# KiCad board poly_kb.kicad_pcb (continued)
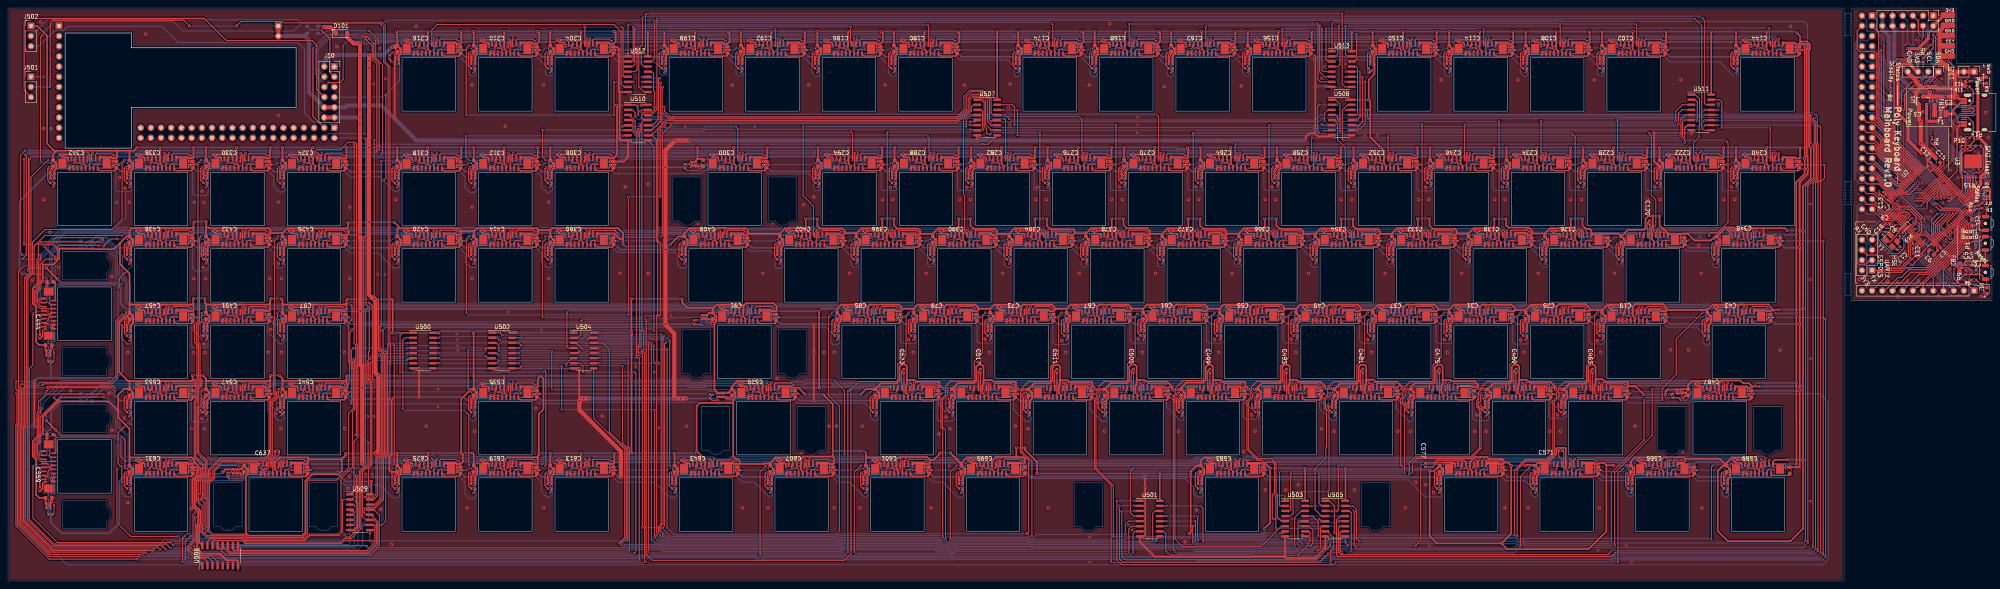
[diagram p0: board, top side]
## Routing (per net, layer and track width the routed paths; a pad name or vN(x,y) marks a point on that pad's centre or on a via; arc(x,y) is an arc through that point) (continued)
Net-(C252-Pad2): length 8
  Top w0.292: J135.7 342.15,103.94 341.81,104.28 v2(341.1,104.28) ; C252.2 337.39,105.69 338.52,105.69 338.84,105.37 v2(338.84,104.63)
  Bottom w0.292: v2(338.84,104.63) 339,104.79 340.58,104.79 v2(341.1,104.28)
Net-(C254-Pad1): length 5.5
  Top w0.292: J135.15 346.79,102.31 349.71,102.31 349.71,102.31 350.52,102.31 350.8,102.59 C254.1
Net-(C257-Pad1): length 12.3
  Top w0.292: v2(321.3,104.18) 321.3,105.05 J136.4 ; C257.1 314.69,99.95 314.69,102.85 v2(315,103.16)
  Bottom w0.292: v2(315,103.16) 315.75,103.91 319.95,103.91 320.22,104.18 v2(321.3,104.18)
Net-(C257-Pad2): length 11.7
  Top w0.292: 321.74,102.87 322.02,102.87 J136.5 ; v2(315.92,98.14) 316.35,98.57 C257.2
  Bottom w0.292: 321.74,102.87 321.58,102.71 316.7,102.71 316.13,102.14 316.13,98.35 v2(315.92,98.14)
  vias: v2(321.74,102.87)
Net-(C258-Pad1): length 4.7
  Top w0.292: C258.1 318.68,106.39 322.12,106.39 322.6,105.91 J136.6
Net-(C258-Pad2): length 8
  Top w0.292: J136.7 323.1,103.94 322.76,104.28 v2(322.05,104.28) ; C258.2 318.34,105.69 319.47,105.69 319.79,105.37 v2(319.79,104.63)
  Bottom w0.292: v2(319.79,104.63) 319.95,104.79 321.53,104.79 v2(322.05,104.28)
Net-(C260-Pad1): length 5.5
  Top w0.292: J136.15 327.74,102.31 330.66,102.31 330.66,102.31 331.47,102.31 331.75,102.59 C260.1
Net-(C263-Pad1): length 12.3
  Top w0.292: v2(302.25,104.18) 302.25,105.05 J137.4 ; C263.1 295.64,99.95 295.64,102.85 v2(295.95,103.16)
  Bottom w0.292: v2(295.95,103.16) 296.7,103.91 300.9,103.91 301.17,104.18 v2(302.25,104.18)
Net-(C263-Pad2): length 11.7
  Top w0.292: 302.69,102.87 302.97,102.87 J137.5 ; v2(296.87,98.14) 297.3,98.57 C263.2
  Bottom w0.292: 302.69,102.87 302.53,102.71 297.65,102.71 297.08,102.14 297.08,98.35 v2(296.87,98.14)
  vias: v2(302.69,102.87)
Net-(C264-Pad1): length 4.7
  Top w0.292: C264.1 299.63,106.39 303.07,106.39 303.55,105.91 J137.6
Net-(C264-Pad2): length 8
  Top w0.292: J137.7 304.05,103.94 303.71,104.28 v2(303,104.28) ; C264.2 299.29,105.69 300.42,105.69 300.74,105.37 v2(300.74,104.63)
  Bottom w0.292: v2(300.74,104.63) 300.9,104.79 302.48,104.79 v2(303,104.28)
Net-(C266-Pad1): length 5.5
  Top w0.292: J137.15 308.69,102.31 311.61,102.31 311.61,102.31 312.42,102.31 312.7,102.59 C266.1
Net-(C269-Pad1): length 12.3
  Top w0.292: v2(283.2,104.18) 283.2,105.05 J138.4 ; C269.1 276.59,99.95 276.59,102.85 v2(276.9,103.16)
  Bottom w0.292: v2(276.9,103.16) 277.65,103.91 281.85,103.91 282.12,104.18 v2(283.2,104.18)
Net-(C269-Pad2): length 11.7
  Top w0.292: 283.64,102.87 283.92,102.87 J138.5 ; v2(277.82,98.14) 278.25,98.57 C269.2
  Bottom w0.292: 283.64,102.87 283.48,102.71 278.6,102.71 278.03,102.14 278.03,98.35 v2(277.82,98.14)
  vias: v2(283.64,102.87)
Net-(C270-Pad1): length 4.7
  Top w0.292: C270.1 280.58,106.39 284.02,106.39 284.5,105.91 J138.6
Net-(C270-Pad2): length 8
  Top w0.292: J138.7 285,103.94 284.66,104.28 v2(283.95,104.28) ; C270.2 280.24,105.69 281.37,105.69 281.69,105.37 v2(281.69,104.63)
  Bottom w0.292: v2(281.69,104.63) 281.85,104.79 283.43,104.79 v2(283.95,104.28)
Net-(C272-Pad1): length 5.5
  Top w0.292: J138.15 289.64,102.31 292.56,102.31 292.56,102.31 293.37,102.31 293.65,102.59 C272.1
Net-(C275-Pad1): length 12.3
  Top w0.292: v2(264.15,104.18) 264.15,105.05 J139.4 ; C275.1 257.54,99.95 257.54,102.85 v2(257.85,103.16)
  Bottom w0.292: v2(257.85,103.16) 258.6,103.91 262.8,103.91 263.07,104.18 v2(264.15,104.18)
Net-(C275-Pad2): length 11.7
  Top w0.292: 264.59,102.87 264.87,102.87 J139.5 ; v2(258.77,98.14) 259.2,98.57 C275.2
  Bottom w0.292: 264.59,102.87 264.43,102.71 259.55,102.71 258.98,102.14 258.98,98.35 v2(258.77,98.14)
  vias: v2(264.59,102.87)
Net-(C276-Pad1): length 4.7
  Top w0.292: C276.1 261.53,106.39 264.97,106.39 265.45,105.91 J139.6
Net-(C276-Pad2): length 8
  Top w0.292: J139.7 265.95,103.94 265.61,104.28 v2(264.9,104.28) ; C276.2 261.19,105.69 262.32,105.69 262.64,105.37 v2(262.64,104.63)
  Bottom w0.292: v2(262.64,104.63) 262.8,104.79 264.38,104.79 v2(264.9,104.28)
Net-(C278-Pad1): length 5.5
  Top w0.292: J139.15 270.59,102.31 273.51,102.31 273.51,102.31 274.32,102.31 274.6,102.59 C278.1
Net-(C281-Pad1): length 12.3
  Top w0.292: v2(245.1,104.18) 245.1,105.05 J140.4 ; C281.1 238.49,99.95 238.49,102.85 v2(238.8,103.16)
  Bottom w0.292: v2(238.8,103.16) 239.55,103.91 243.75,103.91 244.02,104.18 v2(245.1,104.18)
Net-(C281-Pad2): length 11.7
  Top w0.292: 245.54,102.87 245.82,102.87 J140.5 ; v2(239.72,98.14) 240.15,98.57 C281.2
  Bottom w0.292: 245.54,102.87 245.38,102.71 240.5,102.71 239.93,102.14 239.93,98.35 v2(239.72,98.14)
  vias: v2(245.54,102.87)
Net-(C282-Pad1): length 4.7
  Top w0.292: C282.1 242.48,106.39 245.92,106.39 246.4,105.91 J140.6
Net-(C282-Pad2): length 8
  Top w0.292: J140.7 246.9,103.94 246.56,104.28 v2(245.85,104.28) ; C282.2 242.14,105.69 243.27,105.69 243.59,105.37 v2(243.59,104.63)
  Bottom w0.292: v2(243.59,104.63) 243.75,104.79 245.33,104.79 v2(245.85,104.28)
Net-(C284-Pad1): length 5.5
  Top w0.292: J140.15 251.54,102.31 254.46,102.31 254.46,102.31 255.27,102.31 255.55,102.59 C284.1
Net-(C287-Pad1): length 12.3
  Top w0.292: v2(226.05,104.18) 226.05,105.05 J141.4 ; C287.1 219.44,99.95 219.44,102.85 v2(219.75,103.16)
  Bottom w0.292: v2(219.75,103.16) 220.5,103.91 224.7,103.91 224.97,104.18 v2(226.05,104.18)
Net-(C287-Pad2): length 11.7
  Top w0.292: 226.49,102.87 226.77,102.87 J141.5 ; v2(220.67,98.14) 221.1,98.57 C287.2
  Bottom w0.292: 226.49,102.87 226.33,102.71 221.45,102.71 220.88,102.14 220.88,98.35 v2(220.67,98.14)
  vias: v2(226.49,102.87)
Net-(C288-Pad1): length 4.7
  Top w0.292: C288.1 223.43,106.39 226.87,106.39 227.35,105.91 J141.6
Net-(C288-Pad2): length 8
  Top w0.292: J141.7 227.85,103.94 227.51,104.28 v2(226.8,104.28) ; C288.2 223.09,105.69 224.22,105.69 224.54,105.37 v2(224.54,104.63)
  Bottom w0.292: v2(224.54,104.63) 224.7,104.79 226.28,104.79 v2(226.8,104.28)
Net-(C290-Pad1): length 5.5
  Top w0.292: J141.15 232.49,102.31 235.41,102.31 235.41,102.31 236.22,102.31 236.5,102.59 C290.1
Net-(C293-Pad1): length 12.3
  Top w0.292: v2(207,104.18) 207,105.05 J142.4 ; C293.1 200.39,99.95 200.39,102.85 v2(200.7,103.16)
  Bottom w0.292: v2(200.7,103.16) 201.45,103.91 205.65,103.91 205.92,104.18 v2(207,104.18)
Net-(C293-Pad2): length 11.7
  Top w0.292: 207.44,102.87 207.72,102.87 J142.5 ; v2(201.62,98.14) 202.05,98.57 C293.2
  Bottom w0.292: 207.44,102.87 207.28,102.71 202.4,102.71 201.83,102.14 201.83,98.35 v2(201.62,98.14)
  vias: v2(207.44,102.87)
Net-(C294-Pad1): length 4.7
  Top w0.292: C294.1 204.38,106.39 207.82,106.39 208.3,105.91 J142.6
Net-(C294-Pad2): length 8
  Top w0.292: J142.7 208.8,103.94 208.46,104.28 v2(207.75,104.28) ; C294.2 204.04,105.69 205.17,105.69 205.49,105.37 v2(205.49,104.63)
  Bottom w0.292: v2(205.49,104.63) 205.65,104.79 207.23,104.79 v2(207.75,104.28)
Net-(C296-Pad1): length 5.5
  Top w0.292: J142.15 213.44,102.31 216.36,102.31 216.36,102.31 217.17,102.31 217.45,102.59 C296.1
Net-(C299-Pad1): length 11.4
  Top w0.292: v2(178.43,104.18) 178.43,105.05 J143.4 ; C299.1 169.22,103.93 v2(169.24,103.91)
  Bottom w0.292: v2(169.24,103.91) 177.08,103.91 177.34,104.18 v2(178.43,104.18)
Net-(C299-Pad2): length 11.3
  Top w0.292: 178.87,102.87 179.15,102.87 J143.5 ; C299.2 169.12,102.34 v2(169.24,102.34)
  Bottom w0.292: 178.87,102.87 178.71,102.71 172.85,102.71 172.48,102.34 v2(169.24,102.34)
  vias: v2(178.87,102.87)
Net-(C300-Pad1): length 4.7
  Top w0.292: C300.1 175.8,106.39 179.24,106.39 179.72,105.91 J143.6
Net-(C300-Pad2): length 8
  Top w0.292: J143.7 180.22,103.94 179.89,104.28 v2(179.17,104.28) ; C300.2 175.47,105.69 176.6,105.69 176.92,105.37 v2(176.92,104.63)
  Bottom w0.292: v2(176.92,104.63) 177.08,104.79 178.66,104.79 v2(179.17,104.28)
Net-(C302-Pad1): length 5.5
  Top w0.292: J143.15 184.86,102.31 187.79,102.31 187.79,102.31 188.59,102.31 188.87,102.59 C302.1
Net-(C305-Pad1): length 12.3
  Top w0.292: v2(140.33,104.18) 140.33,105.05 J144.4 ; C305.1 133.72,99.95 133.72,102.85 v2(134.02,103.16)
  Bottom w0.292: v2(134.02,103.16) 134.78,103.91 138.98,103.91 139.24,104.18 v2(140.33,104.18)
Net-(C305-Pad2): length 11.7
  Top w0.292: 140.77,102.87 141.05,102.87 J144.5 ; v2(134.95,98.14) 135.38,98.57 C305.2
  Bottom w0.292: 140.77,102.87 140.61,102.71 135.73,102.71 135.15,102.14 135.15,98.35 v2(134.95,98.14)
  vias: v2(140.77,102.87)
Net-(C306-Pad1): length 4.7
  Top w0.292: C306.1 137.7,106.39 141.14,106.39 141.62,105.91 J144.6
Net-(C306-Pad2): length 8
  Top w0.292: J144.7 142.12,103.94 141.79,104.28 v2(141.07,104.28) ; C306.2 137.37,105.69 138.5,105.69 138.82,105.37 v2(138.82,104.63)
  Bottom w0.292: v2(138.82,104.63) 138.98,104.79 140.56,104.79 v2(141.07,104.28)
Net-(C308-Pad1): length 5.5
  Top w0.292: J144.15 146.76,102.31 149.69,102.31 149.69,102.31 150.49,102.31 150.77,102.59 C308.1
Net-(C311-Pad1): length 12.3
  Top w0.292: v2(121.28,104.13) 121.28,105 J145.4 ; C311.1 114.67,99.9 114.67,102.8 v2(114.97,103.11)
  Bottom w0.292: v2(114.97,103.11) 115.73,103.86 119.93,103.86 120.19,104.13 v2(121.28,104.13)
Net-(C311-Pad2): length 11.7
  Top w0.292: 121.72,102.82 122,102.82 J145.5 ; v2(115.9,98.09) 116.33,98.52 C311.2
  Bottom w0.292: 121.72,102.82 121.56,102.66 116.68,102.66 116.1,102.09 116.1,98.3 v2(115.9,98.09)
  vias: v2(121.72,102.82)
Net-(C312-Pad1): length 4.7
  Top w0.292: C312.1 118.65,106.34 122.09,106.34 122.57,105.86 J145.6
Net-(C312-Pad2): length 8
  Top w0.292: J145.7 123.07,103.89 122.74,104.23 v2(122.02,104.23) ; C312.2 118.32,105.64 119.45,105.64 119.77,105.32 v2(119.77,104.58)
  Bottom w0.292: v2(119.77,104.58) 119.93,104.74 121.51,104.74 v2(122.02,104.23)
Net-(C314-Pad1): length 5.5
  Top w0.292: J145.15 127.71,102.26 130.64,102.26 130.64,102.26 131.44,102.26 131.72,102.54 C314.1
Net-(C317-Pad1): length 12.3
  Top w0.292: v2(102.23,104.13) 102.23,105 J146.4 ; C317.1 95.62,99.9 95.62,102.8 v2(95.92,103.11)
  Bottom w0.292: v2(95.92,103.11) 96.68,103.86 100.88,103.86 101.14,104.13 v2(102.23,104.13)
Net-(C317-Pad2): length 11.7
  Top w0.292: 102.67,102.82 102.95,102.82 J146.5 ; v2(96.85,98.09) 97.28,98.52 C317.2
  Bottom w0.292: 102.67,102.82 102.51,102.66 97.63,102.66 97.05,102.09 97.05,98.3 v2(96.85,98.09)
  vias: v2(102.67,102.82)
Net-(C318-Pad1): length 4.7
  Top w0.292: C318.1 99.6,106.34 103.04,106.34 103.53,105.86 J146.6
Net-(C318-Pad2): length 8
  Top w0.292: J146.7 104.03,103.89 103.69,104.23 v2(102.97,104.23) ; C318.2 99.27,105.64 100.4,105.64 100.72,105.32 v2(100.72,104.58)
  Bottom w0.292: v2(100.72,104.58) 100.88,104.74 102.46,104.74 v2(102.97,104.23)
Net-(C320-Pad1): length 5.5
  Top w0.292: J146.15 108.66,102.26 111.59,102.26 111.59,102.26 112.39,102.26 112.67,102.54 C320.1
Net-(C323-Pad1): length 12.3
  Top w0.292: v2(73.65,104.13) 73.65,105 J147.4 ; C323.1 67.04,99.9 67.04,102.8 v2(67.35,103.11)
  Bottom w0.292: v2(67.35,103.11) 68.1,103.86 72.3,103.86 72.57,104.13 v2(73.65,104.13)
Net-(C323-Pad2): length 11.7
  Top w0.292: 74.09,102.82 74.37,102.82 J147.5 ; v2(68.27,98.09) 68.7,98.52 C323.2
  Bottom w0.292: 74.09,102.82 73.93,102.66 69.05,102.66 68.48,102.09 68.48,98.3 v2(68.27,98.09)
  vias: v2(74.09,102.82)
Net-(C324-Pad1): length 4.7
  Top w0.292: C324.1 71.03,106.34 74.47,106.34 74.95,105.86 J147.6
Net-(C324-Pad2): length 8
  Top w0.292: J147.7 75.45,103.89 75.11,104.23 v2(74.4,104.23) ; C324.2 70.69,105.64 71.82,105.64 72.14,105.32 v2(72.14,104.58)
  Bottom w0.292: v2(72.14,104.58) 72.3,104.74 73.88,104.74 v2(74.4,104.23)
Net-(C326-Pad1): length 5.5
  Top w0.292: J147.15 80.09,102.26 83.01,102.26 83.01,102.26 83.82,102.26 84.1,102.54 C326.1
Net-(C329-Pad1): length 12.3
  Top w0.292: v2(54.6,104.18) 54.6,105.05 J148.4 ; C329.1 47.99,99.95 47.99,102.85 v2(48.3,103.16)
  Bottom w0.292: v2(48.3,103.16) 49.05,103.91 53.25,103.91 53.52,104.18 v2(54.6,104.18)
Net-(C329-Pad2): length 11.7
  Top w0.292: 55.04,102.87 55.32,102.87 J148.5 ; v2(49.22,98.14) 49.65,98.57 C329.2
  Bottom w0.292: 55.04,102.87 54.88,102.71 50,102.71 49.43,102.14 49.43,98.35 v2(49.22,98.14)
  vias: v2(55.04,102.87)
Net-(C330-Pad1): length 4.7
  Top w0.292: C330.1 51.98,106.39 55.42,106.39 55.9,105.91 J148.6
Net-(C330-Pad2): length 8
  Top w0.292: J148.7 56.4,103.94 56.06,104.28 v2(55.35,104.28) ; C330.2 51.64,105.69 52.77,105.69 53.09,105.37 v2(53.09,104.63)
  Bottom w0.292: v2(53.09,104.63) 53.25,104.79 54.83,104.79 v2(55.35,104.28)
Net-(C332-Pad1): length 5.5
  Top w0.292: J148.15 61.04,102.31 63.96,102.31 63.96,102.31 64.77,102.31 65.05,102.59 C332.1
Net-(C335-Pad1): length 12.3
  Top w0.292: v2(35.55,104.18) 35.55,105.05 J149.4 ; C335.1 28.94,99.95 28.94,102.85 v2(29.25,103.16)
  Bottom w0.292: v2(29.25,103.16) 30,103.91 34.2,103.91 34.47,104.18 v2(35.55,104.18)
Net-(C335-Pad2): length 11.7
  Top w0.292: 35.99,102.87 36.27,102.87 J149.5 ; v2(30.17,98.14) 30.6,98.57 C335.2
  Bottom w0.292: 35.99,102.87 35.83,102.71 30.95,102.71 30.38,102.14 30.38,98.35 v2(30.17,98.14)
  vias: v2(35.99,102.87)
Net-(C336-Pad1): length 4.7
  Top w0.292: C336.1 32.93,106.39 36.37,106.39 36.85,105.91 J149.6
Net-(C336-Pad2): length 8
  Top w0.292: J149.7 37.35,103.94 37.01,104.28 v2(36.3,104.28) ; C336.2 32.59,105.69 33.72,105.69 34.04,105.37 v2(34.04,104.63)
  Bottom w0.292: v2(34.04,104.63) 34.2,104.79 35.78,104.79 v2(36.3,104.28)
Net-(C338-Pad1): length 5.5
  Top w0.292: J149.15 41.99,102.31 44.91,102.31 44.91,102.31 45.72,102.31 46,102.59 C338.1
Net-(C341-Pad1): length 12.3
  Top w0.292: v2(16.5,104.18) 16.5,105.05 J150.4 ; C341.1 9.89,99.95 9.89,102.85 v2(10.2,103.16)
  Bottom w0.292: v2(10.2,103.16) 10.95,103.91 15.15,103.91 15.42,104.18 v2(16.5,104.18)
Net-(C341-Pad2): length 11.7
  Top w0.292: 16.95,102.87 17.22,102.87 J150.5 ; v2(11.12,98.14) 11.55,98.57 C341.2
  Bottom w0.292: 16.95,102.87 16.78,102.71 11.9,102.71 11.33,102.14 11.33,98.35 v2(11.12,98.14)
  vias: v2(16.94,102.87)
Net-(C342-Pad1): length 4.7
  Top w0.292: C342.1 13.88,106.39 17.32,106.39 17.8,105.91 J150.6
Net-(C342-Pad2): length 8
  Top w0.292: J150.7 18.3,103.94 17.96,104.28 v2(17.25,104.28) ; C342.2 13.54,105.69 14.68,105.69 15,105.37 v2(15,104.63)
  Bottom w0.292: v2(15,104.63) 15.15,104.79 16.73,104.79 v2(17.25,104.28)
Net-(C344-Pad1): length 5.5
  Top w0.292: J150.15 22.94,102.31 25.86,102.31 25.86,102.31 26.67,102.31 26.95,102.59 C344.1
Net-(C347-Pad1): length 12.3
  Top w0.292: C347.1 424.23,80.9 424.23,83.8 v2(424.54,84.11) ; v2(430.73,85.04) 430.73,85.89 J101.4
  Bottom w0.292: v2(430.73,85.04) 429.74,85.04 429.56,84.86 425.29,84.86 v2(424.54,84.11)
Net-(C347-Pad2): length 11.7
  Top w0.292: 431.28,83.82 431.56,83.82 J101.5 ; v2(425.46,79.09) 425.89,79.52 C347.2
  Bottom w0.292: 431.28,83.82 431.12,83.66 426.24,83.66 425.67,83.09 425.67,79.3 v2(425.46,79.09)
  vias: v2(431.28,83.82)
Net-(C348-Pad1): length 3.8
  Top w0.292: J101.6 432.14,86.8 431.66,87.27 429.41,87.27 C348.1
Net-(C348-Pad2): length 7.2
  Top w0.292: J101.7 432.64,84.89 432.3,85.23 v2(431.58,85.23) ; C348.2 429.33,86.39 v2(429.33,85.46)
  Bottom w0.292: v2(431.58,85.23) 431.4,85.23 431,85.62 430.45,85.62 430.44,85.62 429.49,85.62 v2(429.33,85.46)
Net-(C350-Pad1): length 5.5
  Top w0.292: J101.15 437.27,83.26 440.2,83.26 440.2,83.26 441,83.26 441.29,83.54 C350.1
Net-(C353-Pad1): length 12.3
  Top w0.292: v2(330.83,85.13) 330.83,86 J109.4 ; C353.1 324.22,80.9 324.22,83.8 v2(324.52,84.11)
  Bottom w0.292: v2(324.52,84.11) 325.28,84.86 329.48,84.86 329.74,85.13 v2(330.83,85.13)
Net-(C353-Pad2): length 11.7
  Top w0.292: 331.27,83.82 331.55,83.82 J109.5 ; v2(325.45,79.09) 325.88,79.52 C353.2
  Bottom w0.292: 331.27,83.82 331.11,83.66 326.23,83.66 325.65,83.09 325.65,79.3 v2(325.45,79.09)
  vias: v2(331.27,83.82)
Net-(C354-Pad1): length 4.7
  Top w0.292: C354.1 328.2,87.34 331.64,87.34 332.12,86.86 J109.6
Net-(C354-Pad2): length 8
  Top w0.292: J109.7 332.62,84.89 332.29,85.23 v2(331.57,85.23) ; C354.2 327.87,86.64 329,86.64 329.32,86.32 v2(329.32,85.58)
  Bottom w0.292: v2(329.32,85.58) 329.48,85.74 331.06,85.74 v2(331.57,85.23)
Net-(C356-Pad1): length 5.5
  Top w0.292: J109.15 337.26,83.26 340.19,83.26 340.19,83.26 340.99,83.26 341.27,83.54 C356.1
Net-(C359-Pad1): length 12.3
  Top w0.292: C359.1 133.72,80.9 133.72,83.8 v2(134.02,84.11) ; v2(140.23,85.05) 140.23,85.9 J110.4
  Bottom w0.292: v2(134.02,84.11) 134.8,84.88 139.1,84.88 139.26,85.05 v2(140.23,85.05)
Net-(C359-Pad2): length 11.7
  Top w0.292: 140.77,83.82 141.05,83.82 J110.5 ; v2(134.95,79.09) 135.38,79.52 C359.2
  Bottom w0.292: 140.77,83.82 140.61,83.66 135.73,83.66 135.15,83.09 135.15,79.3 v2(134.95,79.09)
  vias: v2(140.77,83.82)
Net-(C360-Pad1): length 4.7
  Top w0.292: C360.1 137.7,87.34 141.14,87.34 141.62,86.86 J110.6
Net-(C360-Pad2): length 8.1
  Top w0.292: J110.7 142.12,84.89 141.79,85.23 v2(141.07,85.23) ; C360.2 137.37,86.64 138.5,86.64 138.82,86.32 v2(138.82,85.47)
  Bottom w0.292: v2(138.82,85.47) 138.97,85.62 139.94,85.62 139.95,85.63 140.51,85.63 140.91,85.23 v2(141.07,85.23)
Net-(C362-Pad1): length 5.5
  Top w0.292: J110.15 146.76,83.26 149.69,83.26 149.69,83.26 150.49,83.26 150.77,83.54 C362.1
Net-(C365-Pad1): length 12.3
  Top w0.292: v2(311.78,85.13) 311.78,86 J111.4 ; C365.1 305.17,80.9 305.17,83.8 v2(305.47,84.11)
  Bottom w0.292: v2(305.47,84.11) 306.23,84.86 310.43,84.86 310.69,85.13 v2(311.78,85.13)
Net-(C365-Pad2): length 11.7
  Top w0.292: 312.22,83.82 312.5,83.82 J111.5 ; v2(306.4,79.09) 306.83,79.52 C365.2
  Bottom w0.292: 312.22,83.82 312.06,83.66 307.18,83.66 306.6,83.09 306.6,79.3 v2(306.4,79.09)
  vias: v2(312.22,83.82)
Net-(C366-Pad1): length 4.7
  Top w0.292: C366.1 309.15,87.34 312.59,87.34 313.07,86.86 J111.6
Net-(C366-Pad2): length 8
  Top w0.292: J111.7 313.57,84.89 313.24,85.23 v2(312.52,85.23) ; C366.2 308.82,86.64 309.95,86.64 310.27,86.32 v2(310.27,85.58)
  Bottom w0.292: v2(310.27,85.58) 310.43,85.74 312.01,85.74 v2(312.52,85.23)
Net-(C368-Pad1): length 5.5
  Top w0.292: J111.15 318.21,83.26 321.14,83.26 321.14,83.26 321.94,83.26 322.22,83.54 C368.1
Net-(C371-Pad1): length 12.3
  Top w0.292: v2(292.73,85.13) 292.73,86 J112.4 ; C371.1 286.12,80.9 286.12,83.8 v2(286.42,84.11)
  Bottom w0.292: v2(286.42,84.11) 287.18,84.86 291.38,84.86 291.64,85.13 v2(292.73,85.13)
Net-(C371-Pad2): length 11.7
  Top w0.292: 293.17,83.82 293.45,83.82 J112.5 ; v2(287.35,79.09) 287.78,79.52 C371.2
  Bottom w0.292: 293.17,83.82 293.01,83.66 288.13,83.66 287.55,83.09 287.55,79.3 v2(287.35,79.09)
  vias: v2(293.17,83.82)
Net-(C372-Pad1): length 4.7
  Top w0.292: C372.1 290.1,87.34 293.54,87.34 294.02,86.86 J112.6
Net-(C372-Pad2): length 8
  Top w0.292: J112.7 294.52,84.89 294.19,85.23 v2(293.47,85.23) ; C372.2 289.77,86.64 290.9,86.64 291.22,86.32 v2(291.22,85.58)
  Bottom w0.292: v2(291.22,85.58) 291.38,85.74 292.96,85.74 v2(293.47,85.23)
Net-(C374-Pad1): length 5.5
  Top w0.292: J112.15 299.16,83.26 302.09,83.26 302.09,83.26 302.89,83.26 303.17,83.54 C374.1
Net-(C377-Pad1): length 12.3
  Top w0.292: v2(273.68,85.13) 273.68,86 J113.4 ; C377.1 267.07,80.9 267.07,83.8 v2(267.37,84.11)
  Bottom w0.292: v2(267.37,84.11) 268.13,84.86 272.33,84.86 272.59,85.13 v2(273.68,85.13)
Net-(C377-Pad2): length 11.7
  Top w0.292: 274.12,83.82 274.4,83.82 J113.5 ; v2(268.3,79.09) 268.73,79.52 C377.2
  Bottom w0.292: 274.12,83.82 273.96,83.66 269.08,83.66 268.5,83.09 268.5,79.3 v2(268.3,79.09)
  vias: v2(274.12,83.82)
Net-(C378-Pad1): length 4.7
  Top w0.292: C378.1 271.05,87.34 274.49,87.34 274.98,86.86 J113.6
Net-(C378-Pad2): length 8
  Top w0.292: J113.7 275.48,84.89 275.14,85.23 v2(274.42,85.23) ; C378.2 270.72,86.64 271.85,86.64 272.17,86.32 v2(272.17,85.58)
  Bottom w0.292: v2(272.17,85.58) 272.33,85.74 273.91,85.74 v2(274.42,85.23)
Net-(C380-Pad1): length 5.5
  Top w0.292: J113.15 280.11,83.26 283.04,83.26 283.04,83.26 283.84,83.26 284.12,83.54 C380.1
Net-(C383-Pad1): length 12.3
  Top w0.292: v2(254.63,85.13) 254.63,86 J114.4 ; C383.1 248.02,80.9 248.02,83.8 v2(248.32,84.11)
  Bottom w0.292: v2(248.32,84.11) 249.08,84.86 253.28,84.86 253.54,85.13 v2(254.63,85.13)
Net-(C383-Pad2): length 11.7
  Top w0.292: 255.07,83.82 255.35,83.82 J114.5 ; v2(249.25,79.09) 249.68,79.52 C383.2
  Bottom w0.292: 255.07,83.82 254.91,83.66 250.03,83.66 249.45,83.09 249.45,79.3 v2(249.25,79.09)
  vias: v2(255.07,83.82)
Net-(C384-Pad1): length 4.7
  Top w0.292: C384.1 252,87.34 255.44,87.34 255.93,86.86 J114.6
Net-(C384-Pad2): length 8
  Top w0.292: J114.7 256.43,84.89 256.09,85.23 v2(255.37,85.23) ; C384.2 251.67,86.64 252.8,86.64 253.12,86.32 v2(253.12,85.58)
  Bottom w0.292: v2(253.12,85.58) 253.28,85.74 254.86,85.74 v2(255.37,85.23)
Net-(C386-Pad1): length 5.5
  Top w0.292: J114.15 261.06,83.26 263.99,83.26 263.99,83.26 264.79,83.26 265.07,83.54 C386.1
Net-(C389-Pad1): length 12.3
  Top w0.292: v2(235.58,85.13) 235.58,86 J115.4 ; C389.1 228.97,80.9 228.97,83.8 v2(229.27,84.11)
  Bottom w0.292: v2(229.27,84.11) 230.03,84.86 234.23,84.86 234.49,85.13 v2(235.58,85.13)
Net-(C389-Pad2): length 11.7
  Top w0.292: 236.02,83.82 236.3,83.82 J115.5 ; v2(230.2,79.09) 230.63,79.52 C389.2
  Bottom w0.292: 236.02,83.82 235.86,83.66 230.98,83.66 230.4,83.09 230.4,79.3 v2(230.2,79.09)
  vias: v2(236.02,83.82)
Net-(C390-Pad1): length 4.7
  Top w0.292: C390.1 232.95,87.34 236.39,87.34 236.88,86.86 J115.6
Net-(C390-Pad2): length 8
  Top w0.292: J115.7 237.38,84.89 237.04,85.23 v2(236.32,85.23) ; C390.2 232.62,86.64 233.75,86.64 234.07,86.32 v2(234.07,85.58)
  Bottom w0.292: v2(234.07,85.58) 234.23,85.74 235.81,85.74 v2(236.32,85.23)
Net-(C392-Pad1): length 5.5
  Top w0.292: J115.15 242.01,83.26 244.94,83.26 244.94,83.26 245.74,83.26 246.02,83.54 C392.1
Net-(C395-Pad1): length 12.3
  Top w0.292: v2(216.53,85.13) 216.53,86 J116.4 ; C395.1 209.92,80.9 209.92,83.8 v2(210.22,84.11)
  Bottom w0.292: v2(210.22,84.11) 210.98,84.86 215.18,84.86 215.44,85.13 v2(216.53,85.13)
Net-(C395-Pad2): length 11.7
  Top w0.292: 216.97,83.82 217.25,83.82 J116.5 ; v2(211.15,79.09) 211.58,79.52 C395.2
  Bottom w0.292: 216.97,83.82 216.81,83.66 211.93,83.66 211.35,83.09 211.35,79.3 v2(211.15,79.09)
  vias: v2(216.97,83.82)
Net-(C396-Pad1): length 4.7
  Top w0.292: C396.1 213.9,87.34 217.34,87.34 217.82,86.86 J116.6
Net-(C396-Pad2): length 8
  Top w0.292: J116.7 218.32,84.89 217.99,85.23 v2(217.27,85.23) ; C396.2 213.57,86.64 214.7,86.64 215.02,86.32 v2(215.02,85.58)
  Bottom w0.292: v2(215.02,85.58) 215.18,85.74 216.76,85.74 v2(217.27,85.23)
Net-(C398-Pad1): length 5.5
  Top w0.292: J116.15 222.96,83.26 225.89,83.26 225.89,83.26 226.69,83.26 226.97,83.54 C398.1
Net-(C401-Pad1): length 12.3
  Top w0.292: v2(197.48,85.13) 197.48,86 J151.4 ; C401.1 190.87,80.9 190.87,83.8 v2(191.17,84.11)
  Bottom w0.292: v2(191.17,84.11) 191.93,84.86 196.13,84.86 196.39,85.13 v2(197.48,85.13)
Net-(C401-Pad2): length 11.7
  Top w0.292: 197.92,83.82 198.2,83.82 J151.5 ; v2(192.1,79.09) 192.53,79.52 C401.2
  Bottom w0.292: 197.92,83.82 197.76,83.66 192.88,83.66 192.3,83.09 192.3,79.3 v2(192.1,79.09)
  vias: v2(197.92,83.82)
Net-(C402-Pad1): length 4.7
  Top w0.292: C402.1 194.85,87.34 198.29,87.34 198.77,86.86 J151.6
Net-(C402-Pad2): length 8
  Top w0.292: J151.7 199.27,84.89 198.94,85.23 v2(198.22,85.23) ; C402.2 194.52,86.64 195.65,86.64 195.97,86.32 v2(195.97,85.58)
  Bottom w0.292: v2(195.97,85.58) 196.13,85.74 197.71,85.74 v2(198.22,85.23)
Net-(C404-Pad1): length 5.5
  Top w0.292: J151.15 203.91,83.26 206.84,83.26 206.84,83.26 207.64,83.26 207.92,83.54 C404.1
Net-(C407-Pad1): length 12.4
  Top w0.292: C407.1 167.06,80.9 167.06,83.8 v2(167.36,84.11) ; J152.4 173.62,85.95 v2(173.62,85.06)
  Bottom w0.292: v2(167.36,84.11) 168.11,84.86 172.41,84.86 172.61,85.06 v2(173.62,85.06)
Net-(C407-Pad2): length 11.7
  Top w0.292: 174.11,83.82 174.39,83.82 J152.5 ; v2(168.28,79.09) 168.72,79.52 C407.2
  Bottom w0.292: 174.11,83.82 173.95,83.66 169.06,83.66 168.49,83.09 168.49,79.3 v2(168.28,79.09)
  vias: v2(174.1,83.82)
Net-(C408-Pad1): length 4.7
  Top w0.292: C408.1 171.04,87.34 174.48,87.34 174.96,86.86 J152.6
Net-(C408-Pad2): length 8.1
  Top w0.292: J152.7 175.46,84.89 175.13,85.23 v2(174.41,85.23) ; C408.2 170.71,86.64 171.84,86.64 172.16,86.32 v2(172.16,85.46)
  Bottom w0.292: v2(172.16,85.46) 172.32,85.62 173.31,85.62 173.34,85.65 173.9,85.65 174.32,85.23 v2(174.41,85.23)
Net-(C410-Pad1): length 5.5
  Top w0.292: J152.15 180.1,83.26 183.03,83.26 183.03,83.26 183.83,83.26 184.11,83.54 C410.1
Net-(C413-Pad1): length 12.4
  Top w0.292: C413.1 114.67,80.9 114.67,83.8 v2(114.97,84.11) ; J153.4 121.25,85.98 v2(121.25,85.07)
  Bottom w0.292: v2(121.25,85.07) 120.23,85.07 120.04,84.88 115.75,84.88 v2(114.97,84.11)
Net-(C413-Pad2): length 11.7
  Top w0.292: 121.72,83.82 122,83.82 J153.5 ; v2(115.9,79.09) 116.33,79.52 C413.2
  Bottom w0.292: 121.72,83.82 121.56,83.66 116.68,83.66 116.1,83.09 116.1,79.3 v2(115.9,79.09)
  vias: v2(121.72,83.82)
Net-(C414-Pad1): length 4.7
  Top w0.292: C414.1 118.65,87.34 122.09,87.34 122.57,86.86 J153.6
Net-(C414-Pad2): length 8.1
  Top w0.292: J153.7 123.07,84.89 122.74,85.23 v2(122.02,85.23) ; C414.2 118.32,86.64 119.45,86.64 119.76,86.33 v2(119.76,85.46)